# Allegro board S071AA-0413-20260427.brd (continued)
## Routing (per net, layer and track width the routed paths; a pad name or vN(x,y) marks a point on that pad's centre or on a via; arc(x,y) is an arc through that point) (continued)
D432.A2 ; D432.A2 53.61,404.93 ; D432.A2 54.68,403.86 ; D432.A2 53.61,402.79 ; 244.11,387.55 D112.B14 ; D112.B14 245.18,388.62 ; D112.B14 244.11,389.69 ; D112.B14 243.04,388.62 ; UHC230.G4_4 18.84,353.54 ; UHC230.G4_4 18.03,352.73 ; UHC230.G4_4 18.03,354.35 ; UHC230.G4_4 17.22,353.54 ; 185.69,80.21 D102.B10 ; D102.B10 184.62,81.28 ; D102.B10 186.76,81.28 ; D102.B10 185.69,82.35 ; D121.B14 122.19,102.67 ; D121.B14 122.19,100.53 ; D121.B14 123.26,101.6 ; D121.B14 121.12,101.6 ; D114.A13 174.06,355.6 ; D114.A13 172.99,356.67 ; D114.A13 171.92,355.6 ; D114.A13 172.99,354.53 ; 46.68,361.14 UHC430.G2 ; UHC430.G2 47.49,361.95 ; UHC430.G2 45.87,361.95 ; UHC430.G2 46.68,362.76 ; D118.B13 45.99,79.81 ; D118.B13 45.99,77.67 ; D118.B13 47.06,78.74 ; D118.B13 44.92,78.74 ; D121.A16 128.34,96.52 ; D121.A16 127.27,95.45 ; D121.A16 127.27,97.59 ; D121.A16 126.2,96.52 ; 241.57,31.95 D108.A3 ; D108.A3 240.5,33.02 ; D108.A3 241.57,34.09 ; D108.A3 242.64,33.02 ; D115.A16 166.44,373.38 ; D115.A16 165.37,374.45 ; D115.A16 165.37,372.31 ; D115.A16 164.3,373.38 ; 19.52,340.36 CSDPS429.C15 ; CSDPS429.C15 20.59,339.29 ; CSDPS429.C15 21.66,340.36 ; CSDPS429.C15 20.59,341.43 ; D124.B3 94.25,39.17 ; D124.B3 94.25,37.03 ; D124.B3 93.18,38.1 ; D124.B3 95.32,38.1 ; 255.74,93.98 D105.A9 ; D105.A9 256.81,92.91 ; D105.A9 257.88,93.98 ; D105.A9 256.81,95.05 ; 253.2,368.3 D111.B10 ; D111.B10 254.27,369.37 ; D111.B10 255.34,368.3 ; D111.B10 254.27,367.23 ; 37.3,35.56 D120.A10 ; D120.A10 38.37,36.63 ; D120.A10 38.37,34.49 ; D120.A10 39.44,35.56 ; D118.A10 38.37,77.27 ; D118.A10 37.3,76.2 ; D118.A10 38.37,75.13 ; D118.A10 39.44,76.2 ; 241.57,395.17 D112.A15 ; D112.A15 241.57,397.31 ; D112.A15 242.64,396.24 ; D112.A15 240.5,396.24 ; 124.73,57.35 D123.B15 ; D123.B15 125.8,58.42 ; D123.B15 123.66,58.42 ; D123.B15 124.73,59.49 ; D231.B2 53.61,369.37 ; D231.B2 53.61,367.23 ; D231.B2 52.54,368.3 ; D231.B2 54.68,368.3 ; D428.B9 109.49,402.39 ; D428.B9 108.42,401.32 ; D428.B9 110.56,401.32 ; D428.B9 109.49,400.25 ; 27.14,398.78 D432.B12 ; D432.B12 29.28,398.78 ; D432.B12 28.21,399.85 ; D432.B12 28.21,397.71 ; 40.91,385.01 D431.A7 ; D431.A7 39.84,386.08 ; D431.A7 40.91,387.15 ; D431.A7 41.98,386.08 ; 22.06,393.7 D232.A14 ; D232.A14 23.13,392.63 ; D232.A14 23.13,394.77 ; D232.A14 24.2,393.7 ; 98.26,330.2 CSDPS225.C13 ; CSDPS225.C13 99.33,329.13 ; CSDPS225.C13 100.4,330.2 ; CSDPS225.C13 99.33,331.27 ; 246.65,31.95 D108.A5 ; D108.A5 246.65,34.09 ; D108.A5 245.58,33.02 ; D108.A5 247.72,33.02 ; D113.A11 178.07,336.35 ; D113.A11 177,335.28 ; D113.A11 178.07,334.21 ; D113.A11 179.14,335.28 ; 264.43,326.59 D109.B6 ; D109.B6 263.36,327.66 ; D109.B6 264.43,328.73 ; D109.B6 265.5,327.66 ; 95.72,81.28 D122.B4 ; D122.B4 97.86,81.28 ; D122.B4 96.79,80.21 ; D122.B4 96.79,82.35 ; D101.A6 175.53,97.59 ; D101.A6 174.46,96.52 ; D101.A6 175.53,95.45 ; D101.A6 176.6,96.52 ; D118.B10 38.37,82.35 ; D118.B10 37.3,81.28 ; D118.B10 39.44,81.28 ; D118.B10 38.37,80.21 ; 23.13,387.55 D232.B14 ; D232.B14 24.2,388.62 ; D232.B14 22.06,388.62 ; D232.B14 23.13,389.69 ; 195.85,392.63 D116.A4 ; D116.A4 194.78,393.7 ; D116.A4 196.92,393.7 ; D116.A4 195.85,394.77 ; 23.13,75.13 D118.A4 ; D118.A4 23.13,77.27 ; D118.A4 24.2,76.2 ; D118.A4 22.06,76.2 ; D110.A13 247.72,355.6 ; D110.A13 246.65,354.53 ; D110.A13 246.65,356.67 ; D110.A13 245.58,355.6 ; 243.04,368.3 D111.B14 ; D111.B14 244.11,369.37 ; D111.B14 244.11,367.23 ; D111.B14 245.18,368.3 ; 127.27,397.71 D428.B2 ; D428.B2 127.27,399.85 ; D428.B2 126.2,398.78 ; D428.B2 128.34,398.78 ; 236.49,15.44 DPS1.B01 ; DPS1.B01 235.42,16.51 ; DPS1.B01 237.56,16.51 ; DPS1.B01 236.49,17.58 ; D123.B5 99.33,59.49 ; D123.B5 99.33,57.35 ; D123.B5 98.26,58.42 ; D123.B5 100.4,58.42 ; 47.46,81.28 D118.B14 ; D118.B14 48.53,82.35 ; D118.B14 49.6,81.28 ; D118.B14 48.53,80.21 ; D104.B8 181.68,40.64 ; D104.B8 179.54,40.64 ; D104.B8 180.61,39.57 ; D104.B8 180.61,41.71 ; D118.A1 16.58,73.66 ; D118.A1 15.51,74.73 ; D118.A1 15.51,72.59 ; D118.A1 14.44,73.66 ; D114.B10 180.61,349.05 ; D114.B10 179.54,347.98 ; D114.B10 180.61,346.91 ; D114.B10 181.68,347.98 ; D122.B2 92.78,81.28 ; D122.B2 90.64,81.28 ; D122.B2 91.71,82.35 ; D122.B2 91.71,80.21 ; D114.A5 194.38,355.6 ; D114.A5 193.31,356.67 ; D114.A5 192.24,355.6 ; D114.A5 193.31,354.53 ; DPS2.A05 194.38,415.29 ; DPS2.A05 193.31,414.22 ; DPS2.A05 192.24,415.29 ; DPS2.A05 193.31,416.36 ; D117.B14 49.6,101.6 ; D117.B14 47.46,101.6 ; D117.B14 48.53,102.67 ; D117.B14 48.53,100.53 ; D109.B16 239.03,328.73 ; D109.B16 237.96,327.66 ; D109.B16 239.03,326.59 ; D109.B16 240.1,327.66 ; D101.A16 202,96.52 ; D101.A16 200.93,97.59 ; D101.A16 200.93,95.45 ; D101.A16 199.86,96.52 ; 260.82,13.97 DPS1.A11 ; DPS1.A11 262.96,13.97 ; DPS1.A11 261.89,15.04 ; DPS1.A11 261.89,12.98 261.09,12.18 SB1.1 ; CSDPS426.B12 102.94,363.22 ; CSDPS426.B12 101.87,364.29 ; CSDPS426.B12 100.8,363.22 ; CSDPS426.B12 101.87,362.15 ; 183.15,395.17 D116.A9 ; D116.A9 183.15,397.31 ; D116.A9 184.22,396.24 ; D116.A9 182.08,396.24 ; 18.05,100.53 D117.B2 ; D117.B2 16.98,101.6 ; D117.B2 19.12,101.6 ; D117.B2 18.05,102.67 ; 127.27,34.49 D124.A16 ; D124.A16 128.34,35.56 ; D124.A16 127.27,36.63 ; D124.A16 126.2,35.56 ; 245.58,370.84 D111.B13 ; D111.B13 246.65,371.91 ; D111.B13 247.72,370.84 ; D111.B13 246.65,369.77 ; D104.A5 172.99,34.09 ; D104.A5 171.92,33.02 ; D104.A5 174.06,33.02 ; D104.A5 172.99,31.95 ; D111.A4 269.51,374.45 ; D111.A4 270.58,373.38 ; D111.A4 269.51,372.31 ; D111.A4 268.44,373.38 ; D111.B1 277.13,371.91 ; D111.B1 276.06,370.84 ; D111.B1 278.2,370.84 ; D111.B1 277.13,369.77 ; D432.A10 34.36,403.86 ; D432.A10 32.22,403.86 ; D432.A10 33.29,404.93 ; D432.A10 33.29,402.79 ; D232.B9 36.9,391.16 ; D232.B9 34.76,391.16 ; D232.B9 35.83,392.23 ; D232.B9 35.83,390.09 ; D110.A12 249.19,354.13 ; D110.A12 249.19,351.99 ; D110.A12 248.12,353.06 ; D110.A12 250.26,353.06 ; 19.52,381 D431.B15 ; D431.B15 21.66,381 ; D431.B15 20.59,382.07 ; D431.B15 20.59,379.93 ; 264.43,59.89 D107.B12 ; D107.B12 265.5,60.96 ; D107.B12 264.43,62.03 ; D107.B12 263.36,60.96 ; D232.B15 20.59,392.23 ; D232.B15 20.59,390.09 ; D232.B15 19.52,391.16 ; D232.B15 21.66,391.16 ; UHC230.G3_10 46.34,350.04 ; UHC230.G3_10 44.72,350.04 ; UHC230.G3_10 45.53,349.23 ; UHC230.G3_10 45.53,350.85 ; 30.75,31.95 D120.A7 ; D120.A7 30.75,34.09 ; D120.A7 31.82,33.02 ; D120.A7 29.68,33.02 ; D104.A6 176.6,35.56 ; D104.A6 175.53,36.63 ; D104.A6 174.46,35.56 ; D104.A6 175.53,34.49 ; D108.B9 256.81,39.17 ; D108.B9 255.74,38.1 ; D108.B9 257.88,38.1 ; D108.B9 256.81,37.03 ; 179.54,60.96 D103.B8 ; D103.B8 180.61,59.89 ; D103.B8 181.68,60.96 ; D103.B8 180.61,62.03 ; 30.75,329.13 CSDPS229.C11 ; CSDPS229.C11 30.75,331.27 ; CSDPS229.C11 29.68,330.2 ; CSDPS229.C11 31.82,330.2 ; 45.99,97.99 D117.B13 ; D117.B13 47.06,99.06 ; D117.B13 45.99,100.13 ; D117.B13 44.92,99.06 ; 277.13,329.13 D109.B1 ; D109.B1 277.13,331.27 ; D109.B1 278.2,330.2 ; D109.B1 276.06,330.2 ; 249.19,367.23 D111.B12 ; D111.B12 248.12,368.3 ; D111.B12 250.26,368.3 ; D111.B12 249.19,369.37 ; CSDPS226.B8 113.1,353.06 ; CSDPS226.B8 112.03,354.13 ; CSDPS226.B8 110.96,353.06 ; CSDPS226.B8 112.03,351.99 ; D105.B6 249.19,102.67 ; D105.B6 249.19,100.53 ; D105.B6 248.12,101.6 ; D105.B6 250.26,101.6 ; 34.76,99.06 D117.B9 ; D117.B9 36.9,99.06 ; D117.B9 35.83,100.13 ; D117.B9 35.83,97.99 ; D431.A10 33.29,384.61 ; D431.A10 33.29,382.47 ; D431.A10 34.36,383.54 ; D431.A10 32.22,383.54 ; D115.B7 188.23,371.91 ; D115.B7 187.16,370.84 ; D115.B7 188.23,369.77 ; D115.B7 189.3,370.84 ; 113.5,386.08 D427.A7 ; D427.A7 114.57,385.01 ; D427.A7 115.64,386.08 ; D427.A7 114.57,387.15 ; D108.A10 259.35,36.63 ; D108.A10 259.35,34.49 ; D108.A10 258.28,35.56 ; D108.A10 260.42,35.56 ; 29.68,340.36 CSDPS429.C11 ; CSDPS429.C11 30.75,339.29 ; CSDPS429.C11 30.75,341.43 ; CSDPS429.C11 31.82,340.36 ; 45.99,37.03 D120.B13 ; D120.B13 47.06,38.1 ; D120.B13 44.92,38.1 ; D120.B13 45.99,39.17 ; D108.B2 240.1,40.64 ; D108.B2 239.03,41.71 ; D108.B2 239.03,39.57 ; D108.B2 237.96,40.64 ; 113.5,53.34 D123.A11 ; D123.A11 115.64,53.34 ; D123.A11 114.57,52.27 ; D123.A11 114.57,54.41 ; D228.B16 92.78,388.62 ; D228.B16 90.64,388.62 ; D228.B16 91.71,387.55 ; D228.B16 91.71,389.69 ; DPS1.B15 273.12,16.51 ; DPS1.B15 272.05,15.44 ; DPS1.B15 270.98,16.51 ; DPS1.B15 272.05,17.58 ; D116.B15 167.91,392.23 ; D116.B15 168.98,391.16 ; D116.B15 166.84,391.16 ; D116.B15 167.91,390.09 ; 246.65,374.85 D111.A13 ; D111.A13 246.65,376.99 ; D111.A13 247.72,375.92 ; D111.A13 245.58,375.92 ; 20.59,97.99 D117.B3 ; D117.B3 20.59,100.13 ; D117.B3 21.66,99.06 ; D117.B3 19.52,99.06 ; D104.B13 193.31,39.17 ; D104.B13 192.24,38.1 ; D104.B13 194.38,38.1 ; D104.B13 193.31,37.03 ; D121.B3 94.25,100.13 ; D121.B3 94.25,97.99 ; D121.B3 95.32,99.06 ; D121.B3 93.18,99.06 ; 193.31,31.95 D104.A13 ; D104.A13 194.38,33.02 ; D104.A13 193.31,34.09 ; D104.A13 192.24,33.02 ; 39.84,401.32 D432.B7 ; D432.B7 41.98,401.32 ; D432.B7 40.91,402.39 ; D432.B7 40.91,400.25 ; 103.34,78.74 D122.B7 ; D122.B7 105.48,78.74 ; D122.B7 104.41,77.67 ; D122.B7 104.41,79.81 ; 55.08,401.32 D432.B1 ; D432.B1 56.15,400.25 ; D432.B1 56.15,402.39 ; D432.B1 57.22,401.32 ; 264.43,100.53 D105.B12 ; D105.B12 263.36,101.6 ; D105.B12 264.43,102.67 ; D105.B12 265.5,101.6 ; 108.42,53.34 D123.A9 ; D123.A9 110.56,53.34 ; D123.A9 109.49,54.41 ; D123.A9 109.49,52.27 ; 251.73,37.03 D108.B7 ; D108.B7 250.66,38.1 ; D108.B7 252.8,38.1 ; D108.B7 251.73,39.17 ; 277.13,354.53 D110.A1 ; D110.A1 277.13,356.67 ; D110.A1 278.2,355.6 ; D110.A1 276.06,355.6 ; D105.B15 273.12,99.06 ; D105.B15 270.98,99.06 ; D105.B15 272.05,100.13 ; D105.B15 272.05,97.99 ; CSDPS425.B8 112.03,343.97 ; CSDPS425.B8 112.03,341.83 ; CSDPS425.B8 113.1,342.9 ; CSDPS425.B8 110.96,342.9 ; D114.A14 171.52,353.06 ; D114.A14 170.45,354.13 ; D114.A14 170.45,351.99 ; D114.A14 169.38,353.06 ; 129.81,405.33 D428.A1 ; D428.A1 129.81,407.47 ; D428.A1 128.74,406.4 ; D428.A1 130.88,406.4 ; 91.71,39.57 D124.B2 ; D124.B2 91.71,41.71 ; D124.B2 90.64,40.64 ; D124.B2 92.78,40.64 ; D124.A12 118.18,35.56 ; D124.A12 117.11,36.63 ; D124.A12 116.04,35.56 ; D124.A12 117.11,34.49 ; 124.73,77.67 D122.B15 ; D122.B15 123.66,78.74 ; D122.B15 125.8,78.74 ; D122.B15 124.73,79.81 ; 32.22,40.64 D120.B8 ; D120.B8 33.29,39.57 ; D120.B8 33.29,41.71 ; D120.B8 34.36,40.64 ; 30.75,405.33 D432.A11 ; D432.A11 29.68,406.4 ; D432.A11 30.75,407.47 ; D432.A11 31.82,406.4 ; D123.B2 91.71,62.03 ; D123.B2 91.71,59.89 ; D123.B2 90.64,60.96 ; D123.B2 92.78,60.96 ; D123.B11 114.57,59.49 ; D123.B11 114.57,57.35 ; D123.B11 115.64,58.42 ; D123.B11 113.5,58.42 ; D431.A17 16.58,386.08 ; D431.A17 15.51,385.01 ; D431.A17 14.44,386.08 ; D431.A17 15.51,387.15 ; 261.89,334.21 D109.A7 ; D109.A7 261.89,336.35 ; D109.A7 260.82,335.28 ; D109.A7 262.96,335.28 ; 16.88,357.64 UHC430.G1_12 ; UHC430.G1_12 16.88,359.26 ; UHC430.G1_12 17.69,358.45 ; UHC430.G1_12 16.07,358.45 ; CSDPS225.B8 112.03,333.81 ; CSDPS225.B8 113.1,332.74 ; CSDPS225.B8 110.96,332.74 ; CSDPS225.B8 112.03,331.67 ; 29.68,58.42 D119.B7 ; D119.B7 30.75,57.35 ; D119.B7 30.75,59.49 ; D119.B7 31.82,58.42 ; 14.58,361.14 UHC430.G1_8 ; UHC430.G1_8 13.77,361.95 ; UHC430.G1_8 14.58,362.76 ; UHC430.G1_8 15.39,361.95 ; DPS3.B15 125.8,16.51 ; DPS3.B15 123.66,16.51 ; DPS3.B15 124.73,17.58 ; DPS3.B15 124.73,15.44 ; 255.74,396.24 D112.A9 ; D112.A9 257.88,396.24 ; D112.A9 256.81,397.31 ; D112.A9 256.81,395.17 ; 184.62,101.6 D101.B10 ; D101.B10 185.69,100.53 ; D101.B10 186.76,101.6 ; D101.B10 185.69,102.67 ; 27.14,76.2 D118.A6 ; D118.A6 28.21,77.27 ; D118.A6 29.28,76.2 ; D118.A6 28.21,75.13 ; D231.A10 33.29,374.45 ; D231.A10 32.22,373.38 ; D231.A10 34.36,373.38 ; D231.A10 33.29,372.31 ; 198.39,349.45 D114.B3 ; D114.B3 197.32,350.52 ; D114.B3 198.39,351.59 ; D114.B3 199.46,350.52 ; D231.A11 30.75,376.99 ; D231.A11 29.68,375.92 ; D231.A11 31.82,375.92 ; D231.A11 30.75,374.85 ; D232.B8 39.44,388.62 ; D232.B8 37.3,388.62 ; D232.B8 38.37,389.69 ; D232.B8 38.37,387.55 ; 48.53,331.67 CSDPS229.B4 ; CSDPS229.B4 48.53,333.81 ; CSDPS229.B4 47.46,332.74 ; CSDPS229.B4 49.6,332.74 ; D107.B2 239.03,62.03 ; D107.B2 240.1,60.96 ; D107.B2 239.03,59.89 ; D107.B2 237.96,60.96 ; DPS1.C05 247.72,19.05 ; DPS1.C05 246.65,17.98 ; DPS1.C05 245.58,19.05 ; DPS1.C05 246.65,20.12 ; 200.93,54.81 D103.A16 ; D103.A16 202,55.88 ; D103.A16 199.86,55.88 ; D103.A16 200.93,56.95 ; D112.B7 262.96,391.16 ; D112.B7 261.89,390.09 ; D112.B7 260.82,391.16 ; D112.B7 261.89,392.23 ; D117.B10 38.37,102.67 ; D117.B10 38.37,100.53 ; D117.B10 39.44,101.6 ; D117.B10 37.3,101.6 ; D109.B2 275.66,327.66 ; D109.B2 274.59,326.59 ; D109.B2 274.59,328.73 ; D109.B2 273.52,327.66 ; 103.34,396.24 D228.A11 ; D228.A11 104.41,397.31 ; D228.A11 105.48,396.24 ; D228.A11 104.41,395.17 ; 35.83,72.59 D118.A9 ; D118.A9 35.83,74.73 ; D118.A9 34.76,73.66 ; D118.A9 36.9,73.66 ; D428.A16 91.71,404.93 ; D428.A16 91.71,402.79 ; D428.A16 90.64,403.86 ; D428.A16 92.78,403.86 ; D124.B12 117.11,41.71 ; D124.B12 118.18,40.64 ; D124.B12 117.11,39.57 ; D124.B12 116.04,40.64 ; 126.2,378.46 D427.B2 ; D427.B2 127.27,379.53 ; D427.B2 128.34,378.46 ; D427.B2 127.27,377.39 ; D117.A2 19.12,96.52 ; D117.A2 18.05,97.59 ; D117.A2 18.05,95.45 ; D117.A2 16.98,96.52 ; 45.99,379.93 D431.B5 ; D431.B5 47.06,381 ; D431.B5 45.99,382.07 ; D431.B5 44.92,381 ; D108.A16 274.59,36.63 ; D108.A16 273.52,35.56 ; D108.A16 274.59,34.49 ; D108.A16 275.66,35.56 ; 122.19,95.45 D121.A14 ; D121.A14 123.26,96.52 ; D121.A14 121.12,96.52 ; D121.A14 122.19,97.59 ; D124.B14 122.19,41.71 ; D124.B14 121.12,40.64 ; D124.B14 123.26,40.64 ; D124.B14 122.19,39.57 ; 117.11,59.89 D123.B12 ; D123.B12 117.11,62.03 ; D123.B12 118.18,60.96 ; D123.B12 116.04,60.96 ; D112.A1 277.13,397.31 ; D112.A1 276.06,396.24 ; D112.A1 278.2,396.24 ; D112.A1 277.13,395.17 ; 249.19,54.81 D107.A6 ; D107.A6 248.12,55.88 ; D107.A6 249.19,56.95 ; D107.A6 250.26,55.88 ; D111.A1 278.2,375.92 ; D111.A1 277.13,376.99 ; D111.A1 277.13,374.85 ; D111.A1 276.06,375.92 ; D102.A4 171.52,76.2 ; D102.A4 169.38,76.2 ; D102.A4 170.45,77.27 ; D102.A4 170.45,75.13 ; D116.A15 168.98,396.24 ; D116.A15 167.91,397.31 ; D116.A15 167.91,395.17 ; D116.A15 166.84,396.24 ; 103.34,340.36 CSDPS425.C11 ; CSDPS425.C11 104.41,341.43 ; CSDPS425.C11 105.48,340.36 ; CSDPS425.C11 104.41,339.29 ; D104.B1 163.9,38.1 ; D104.B1 162.83,39.17 ; D104.B1 162.83,37.03 ; D104.B1 161.76,38.1 ; 121.12,363.22 CSDPS426.B4 ; CSDPS426.B4 122.19,362.15 ; CSDPS426.B4 122.19,364.29 ; CSDPS426.B4 123.26,363.22 ; 105.88,363.22 CSDPS426.B10 ; CSDPS426.B10 106.95,364.29 ; CSDPS426.B10 106.95,362.15 ; CSDPS426.B10 108.02,363.22 ; DPS3.B05 100.4,16.51 ; DPS3.B05 98.26,16.51 ; DPS3.B05 99.33,17.58 ; DPS3.B05 99.33,15.44 ; D113.A9 184.22,335.28 ; D113.A9 182.08,335.28 ; D113.A9 183.15,334.21 ; D113.A9 183.15,336.35 ; D107.A16 275.66,55.88 ; D107.A16 273.52,55.88 ; D107.A16 274.59,54.81 ; D107.A16 274.59,56.95 ; D112.B12 249.19,389.69 ; D112.B12 249.19,387.55 ; D112.B12 250.26,388.62 ; D112.B12 248.12,388.62 ; 47.46,403.86 D432.A4 ; D432.A4 49.6,403.86 ; D432.A4 48.53,402.79 ; D432.A4 48.53,404.93 ; 18.05,80.21 D118.B2 ; D118.B2 16.98,81.28 ; D118.B2 18.05,82.35 ; D118.B2 19.12,81.28 ; 251.73,72.59 D106.A7 ; D106.A7 250.66,73.66 ; D106.A7 252.8,73.66 ; D106.A7 251.73,74.73 ; 178.07,72.59 D102.A7 ; D102.A7 178.07,74.73 ; D102.A7 177,73.66 ; D102.A7 179.14,73.66 ; 105.88,96.52 D121.A8 ; D121.A8 108.02,96.52 ; D121.A8 106.95,97.59 ; D121.A8 106.95,95.45 ; D101.A10 185.69,97.59 ; D101.A10 184.62,96.52 ; D101.A10 186.76,96.52 ; D101.A10 185.69,95.45 ; 119.65,31.95 D124.A13 ; D124.A13 118.58,33.02 ; D124.A13 120.72,33.02 ; D124.A13 119.65,34.09 ; D120.A14 49.6,35.56 ; D120.A14 48.53,34.49 ; D120.A14 47.46,35.56 ; D120.A14 48.53,36.63 ; 95.72,35.56 D124.A4 ; D124.A4 96.79,34.49 ; D124.A4 96.79,36.63 ; D124.A4 97.86,35.56 ; 30.75,37.03 D120.B7 ; D120.B7 29.68,38.1 ; D120.B7 30.75,39.17 ; D120.B7 31.82,38.1 ; 23.13,377.39 D431.B14 ; D431.B14 22.06,378.46 ; D431.B14 23.13,379.53 ; D431.B14 24.2,378.46 ; D108.A1 236.49,34.09 ; D108.A1 236.49,31.95 ; D108.A1 237.56,33.02 ; D108.A1 235.42,33.02 ; DPS8.A01 56.15,416.36 ; DPS8.A01 57.22,415.29 ; DPS8.A01 55.08,415.29 ; DPS8.A01 56.15,414.22 ; D105.B3 241.57,100.13 ; D105.B3 240.5,99.06 ; D105.B3 242.64,99.06 ; D105.B3 241.57,97.99 ; 33.29,367.23 D231.B10 ; D231.B10 32.22,368.3 ; D231.B10 34.36,368.3 ; D231.B10 33.29,369.37 ; 18.37,358.45 UHC430.G1_11 ; UHC430.G1_11 19.18,359.26 ; UHC430.G1_11 19.18,357.64 ; UHC430.G1_11 19.99,358.45 ; D228.A3 125.8,396.24 ; D228.A3 123.66,396.24 ; D228.A3 124.73,395.17 ; D228.A3 124.73,397.31 ; D111.A7 261.89,376.99 ; D111.A7 260.82,375.92 ; D111.A7 262.96,375.92 ; D111.A7 261.89,374.85 ; 112.03,54.81 D123.A10 ; D123.A10 112.03,56.95 ; D123.A10 113.1,55.88 ; D123.A10 110.96,55.88 ; D113.B13 174.06,330.2 ; D113.B13 171.92,330.2 ; D113.B13 172.99,329.13 ; D113.B13 172.99,331.27 ; 245.58,350.52 D110.B13 ; D110.B13 246.65,351.59 ; D110.B13 246.65,349.45 ; D110.B13 247.72,350.52 ; 122.19,75.13 D122.A14 ; D122.A14 123.26,76.2 ; D122.A14 122.19,77.27 ; D122.A14 121.12,76.2 ; 260.82,330.2 D109.B7 ; D109.B7 262.96,330.2 ; D109.B7 261.89,331.27 ; D109.B7 261.89,329.13 ; 249.19,59.89 D107.B6 ; D107.B6 248.12,60.96 ; D107.B6 249.19,62.03 ; D107.B6 250.26,60.96 ; D120.B2 19.12,40.64 ; D120.B2 18.05,39.57 ; D120.B2 18.05,41.71 ; D120.B2 16.98,40.64 ; D116.A13 172.99,397.31 ; D116.A13 171.92,396.24 ; D116.A13 174.06,396.24 ; D116.A13 172.99,395.17 ; 45.99,405.33 D432.A5 ; D432.A5 45.99,407.47 ; D432.A5 47.06,406.4 ; D432.A5 44.92,406.4 ; D427.B14 96.79,379.53 ; D427.B14 95.72,378.46 ; D427.B14 96.79,377.39 ; D427.B14 97.86,378.46 ; 29.68,410.21 DPS8.C11 ; DPS8.C11 30.75,409.14 ; DPS8.C11 30.75,411.28 ; DPS8.C11 31.82,410.21 ; 98.26,78.74 D122.B5 ; D122.B5 100.4,78.74 ; D122.B5 99.33,77.67 ; D122.B5 99.33,79.81 ; DPS8.B05 45.99,413.82 ; DPS8.B05 45.99,411.68 ; DPS8.B05 44.92,412.75 ; DPS8.B05 47.06,412.75 ; D120.A4 24.2,35.56 ; D120.A4 23.13,36.63 ; D120.A4 22.06,35.56 ; D120.A4 23.13,34.49 ; D101.A1 163.9,93.98 ; D101.A1 162.83,92.91 ; D101.A1 162.83,95.05 ; D101.A1 161.76,93.98 ; D107.A3 242.64,53.34 ; D107.A3 240.5,53.34 ; D107.A3 241.57,54.41 ; D107.A3 241.57,52.27 ; 162.83,52.27 D103.A1 ; D103.A1 161.76,53.34 ; D103.A1 162.83,54.41 ; D103.A1 163.9,53.34 ; 254.27,75.13 D106.A8 ; D106.A8 254.27,77.27 ; D106.A8 255.34,76.2 ; D106.A8 253.2,76.2 ; D112.B11 251.73,392.23 ; D112.B11 252.8,391.16 ; D112.B11 250.66,391.16 ; D112.B11 251.73,390.09 ; 105.88,398.78 D428.B10 ; D428.B10 106.95,397.71 ; D428.B10 108.02,398.78 ; D428.B10 106.95,399.85 ; 38.37,367.23 D231.B8 ; D231.B8 38.37,369.37 ; D231.B8 37.3,368.3 ; D231.B8 39.44,368.3 ; D101.A5 172.99,95.05 ; D101.A5 171.92,93.98 ; D101.A5 172.99,92.91 ; D101.A5 174.06,93.98 ; D123.A3 94.25,54.41 ; D123.A3 93.18,53.34 ; D123.A3 94.25,52.27 ; D123.A3 95.32,53.34 ; D115.A15 168.98,375.92 ; D115.A15 167.91,374.85 ; D115.A15 167.91,376.99 ; D115.A15 166.84,375.92 ; 37.3,393.7 D232.A8 ; D232.A8 39.44,393.7 ; D232.A8 38.37,392.63 ; D232.A8 38.37,394.77 ; 127.27,382.47 D427.A2 ; D427.A2 126.2,383.54 ; D427.A2 127.27,384.61 ; D427.A2 128.34,383.54 ; CSDPS429.C5 45.99,341.43 ; CSDPS429.C5 47.06,340.36 ; CSDPS429.C5 45.99,339.29 ; CSDPS429.C5 44.92,340.36 ; 32.22,35.56 D120.A8 ; D120.A8 33.29,34.49 ; D120.A8 33.29,36.63 ; D120.A8 34.36,35.56 ; D228.A6 117.11,394.77 ; D228.A6 116.04,393.7 ; D228.A6 118.18,393.7 ; D228.A6 117.11,392.63 ; 126.2,353.06 CSDPS226.B2 ; CSDPS226.B2 128.34,353.06 ; CSDPS226.B2 127.27,351.99 ; CSDPS226.B2 127.27,354.13 ; D104.B12 190.77,41.71 ; D104.B12 190.77,39.57 ; D104.B12 191.84,40.64 ; D104.B12 189.7,40.64 ; 123.66,360.68 CSDPS426.C3 ; CSDPS426.C3 124.73,361.75 ; CSDPS426.C3 124.73,359.61 ; CSDPS426.C3 125.8,360.68 ; D427.A9 110.56,386.08 ; D427.A9 109.49,385.01 ; D427.A9 108.42,386.08 ; D427.A9 109.49,387.15 ; D118.B12 43.45,82.35 ; D118.B12 44.52,81.28 ; D118.B12 42.38,81.28 ; D118.B12 43.45,80.21 ; CSDPS229.C9 35.83,331.27 ; CSDPS229.C9 35.83,329.13 ; CSDPS229.C9 34.76,330.2 ; CSDPS229.C9 36.9,330.2 ; D114.A7 188.23,356.67 ; D114.A7 188.23,354.53 ; D114.A7 187.16,355.6 ; D114.A7 189.3,355.6 ; 52.54,388.62 D232.B2 ; D232.B2 54.68,388.62 ; D232.B2 53.61,387.55 ; D232.B2 53.61,389.69 ; D118.A12 44.52,76.2 ; D118.A12 42.38,76.2 ; D118.A12 43.45,77.27 ; D118.A12 43.45,75.13 ; 39.84,340.36 CSDPS429.C7 ; CSDPS429.C7 41.98,340.36 ; CSDPS429.C7 40.91,339.29 ; CSDPS429.C7 40.91,341.43 ; 165.37,326.59 D113.B16 ; D113.B16 166.44,327.66 ; D113.B16 165.37,328.73 ; D113.B16 164.3,327.66 ; D227.B6 117.11,369.37 ; D227.B6 117.11,367.23 ; D227.B6 116.04,368.3 ; D227.B6 118.18,368.3 ; 250.66,375.92 D111.A11 ; D111.A11 252.8,375.92 ; D111.A11 251.73,376.99 ; D111.A11 251.73,374.85 ; D110.A7 262.96,355.6 ; D110.A7 261.89,354.53 ; D110.A7 261.89,356.67 ; D110.A7 260.82,355.6 ; 39.84,370.84 D231.B7 ; D231.B7 40.91,371.91 ; D231.B7 41.98,370.84 ; D231.B7 40.91,369.77 ; D227.A2 128.34,373.38 ; D227.A2 127.27,374.45 ; D227.A2 127.27,372.31 ; D227.A2 126.2,373.38 ; 179.54,96.52 D101.A8 ; D101.A8 180.61,95.45 ; D101.A8 181.68,96.52 ; D101.A8 180.61,97.59 ; 118.58,38.1 D124.B13 ; D124.B13 119.65,37.03 ; D124.B13 120.72,38.1 ; D124.B13 119.65,39.17 ; D119.A15 51.07,54.41 ; D119.A15 50,53.34 ; D119.A15 52.14,53.34 ; D119.A15 51.07,52.27 ; 118.58,401.32 D428.B5 ; D428.B5 120.72,401.32 ; D428.B5 119.65,400.25 ; D428.B5 119.65,402.39 ; 240.5,58.42 D107.B3 ; D107.B3 242.64,58.42 ; D107.B3 241.57,59.49 ; D107.B3 241.57,57.35 ; D227.B15 94.25,371.91 ; D227.B15 93.18,370.84 ; D227.B15 95.32,370.84 ; D227.B15 94.25,369.77 ; D107.B11 262.96,58.42 ; D107.B11 261.89,59.49 ; D107.B11 260.82,58.42 ; D107.B11 261.89,57.35 ; 29.68,78.74 D118.B7 ; D118.B7 30.75,79.81 ; D118.B7 30.75,77.67 ; D118.B7 31.82,78.74 ; 169.38,388.62 D116.B14 ; D116.B14 171.52,388.62 ; D116.B14 170.45,387.55 ; D116.B14 170.45,389.69 ; D103.A12 191.84,55.88 ; D103.A12 189.7,55.88 ; D103.A12 190.77,56.95 ; D103.A12 190.77,54.81 ; 273.52,353.06 D110.A2 ; D110.A2 275.66,353.06 ; D110.A2 274.59,354.13 ; D110.A2 274.59,351.99 ; D124.B5 100.4,38.1 ; D124.B5 98.26,38.1 ; D124.B5 99.33,39.17 ; D124.B5 99.33,37.03 ; 178.07,414.22 DPS2.A11 ; DPS2.A11 179.14,415.29 ; DPS2.A11 177,415.29 ; DPS2.A11 178.07,416.38 178.74,417.05 SB13.1 ; 175.53,346.91 D114.B12 ; D114.B12 174.46,347.98 ; D114.B12 176.6,347.98 ; D114.B12 175.53,349.05 ; 129.81,400.25 D428.B1 ; D428.B1 129.81,402.39 ; D428.B1 128.74,401.32 ; D428.B1 130.88,401.32 ; D111.B9 256.81,371.91 ; D111.B9 255.74,370.84 ; D111.B9 257.88,370.84 ; D111.B9 256.81,369.77 ; D427.A6 118.18,383.54 ; D427.A6 117.11,384.61 ; D427.A6 117.11,382.47 ; D427.A6 116.04,383.54 ; D427.A13 99.33,387.15 ; D427.A13 99.33,385.01 ; D427.A13 98.26,386.08 ; D427.A13 100.4,386.08 ; 22.06,96.52 D117.A4 ; D117.A4 23.13,97.59 ; D117.A4 24.2,96.52 ; D117.A4 23.13,95.45 ; D113.A1 203.47,336.35 ; D113.A1 202.4,335.28 ; D113.A1 204.54,335.28 ; D113.A1 203.47,334.21 ; D112.A7 261.89,397.31 ; D112.A7 262.96,396.24 ; D112.A7 260.82,396.24 ; D112.A7 261.89,395.17 ; 199.86,76.2 D102.A16 ; D102.A16 202,76.2 ; D102.A16 200.93,77.27 ; D102.A16 200.93,75.13 ; CSDPS229.C1 56.15,331.27 ; CSDPS229.C1 57.22,330.2 ; CSDPS229.C1 56.15,329.13 ; CSDPS229.C1 55.08,330.2 ; 259.35,351.99 D110.A8 ; D110.A8 258.28,353.06 ; D110.A8 259.35,354.13 ; D110.A8 260.42,353.06 ; D231.A4 48.53,374.45 ; D231.A4 49.6,373.38 ; D231.A4 48.53,372.31 ; D231.A4 47.46,373.38 ; D112.A10 255.34,393.7 ; D112.A10 254.27,394.77 ; D112.A10 254.27,392.63 ; D112.A10 253.2,393.7 ; 19.52,58.42 D119.B3 ; D119.B3 21.66,58.42 ; D119.B3 20.59,57.35 ; D119.B3 20.59,59.49 ; D120.B15 51.07,39.17 ; D120.B15 52.14,38.1 ; D120.B15 51.07,37.03 ; D120.B15 50,38.1 ; CSDPS226.B14 96.79,354.13 ; CSDPS226.B14 97.86,353.06 ; CSDPS226.B14 96.79,351.99 ; CSDPS226.B14 95.72,353.06 ; D111.B8 260.42,368.3 ; D111.B8 259.35,369.37 ; D111.B8 259.35,367.23 ; D111.B8 258.28,368.3 ; D105.B7 252.8,99.06 ; D105.B7 250.66,99.06 ; D105.B7 251.73,97.99 ; D105.B7 251.73,100.13 ; 185.69,367.23 D115.B8 ; D115.B8 184.62,368.3 ; D115.B8 186.76,368.3 ; D115.B8 185.69,369.37 ; D102.A1 163.9,73.66 ; D102.A1 161.76,73.66 ; D102.A1 162.83,74.73 ; D102.A1 162.83,72.59 ; D228.A14 97.86,393.7 ; D228.A14 95.72,393.7 ; D228.A14 96.79,392.63 ; D228.A14 96.79,394.77 ; 190.77,372.31 D115.A6 ; D115.A6 189.7,373.38 ; D115.A6 190.77,374.45 ; D115.A6 191.84,373.38 ; D232.B4 49.6,388.62 ; D232.B4 48.53,387.55 ; D232.B4 48.53,389.69 ; D232.B4 47.46,388.62 ; 114.57,339.29 CSDPS425.C7 ; CSDPS425.C7 115.64,340.36 ; CSDPS425.C7 113.5,340.36 ; CSDPS425.C7 114.57,341.43 ; 20.59,369.77 D231.B15 ; D231.B15 21.66,370.84 ; D231.B15 19.52,370.84 ; D231.B15 20.59,371.91 ; D118.B8 34.36,81.28 ; D118.B8 33.29,80.21 ; D118.B8 33.29,82.35 ; D118.B8 32.22,81.28 ; 105.88,40.64 D124.B8 ; D124.B8 106.95,39.57 ; D124.B8 108.02,40.64 ; D124.B8 106.95,41.71 ; D104.B14 196.92,40.64 ; D104.B14 195.85,41.71 ; D104.B14 194.78,40.64 ; D104.B14 195.85,39.57 ; 255.74,375.92 D111.A9 ; D111.A9 256.81,376.99 ; D111.A9 257.88,375.92 ; D111.A9 256.81,374.85 ; 101.87,75.13 D122.A6 ; D122.A6 102.94,76.2 ; D122.A6 101.87,77.27 ; D122.A6 100.8,76.2 ; 43.57,351.79 UHC230.G3_8 ; UHC230.G3_8 44.38,352.6 ; UHC230.G3_8 45.19,351.79 ; UHC230.G3_8 44.38,350.98 ; CSDPS429.B10 34.36,342.9 ; CSDPS429.B10 33.29,343.97 ; CSDPS429.B10 33.29,341.83 ; CSDPS429.B10 32.22,342.9 ; D122.B8 108.02,81.28 ; D122.B8 106.95,80.21 ; D122.B8 106.95,82.35 ; D122.B8 105.88,81.28 ; D117.A6 29.28,96.52 ; D117.A6 28.21,97.59 ; D117.A6 27.14,96.52 ; D117.A6 28.21,95.45 ; 253.2,373.38 D111.A10 ; D111.A10 254.27,374.45 ; D111.A10 254.27,372.31 ; D111.A10 255.34,373.38 ; D103.B9 183.15,59.49 ; D103.B9 184.22,58.42 ; D103.B9 182.08,58.42 ; D103.B9 183.15,57.35 ; 33.29,387.55 D232.B10 ; D232.B10 34.36,388.62 ; D232.B10 32.22,388.62 ; D232.B10 33.29,389.69 ; 16.98,342.9 CSDPS429.B16 ; CSDPS429.B16 18.05,341.83 ; CSDPS429.B16 19.12,342.9 ; CSDPS429.B16 18.05,343.97 ; 14.44,99.06 D117.B1 ; D117.B1 16.58,99.06 ; D117.B1 15.51,100.13 ; D117.B1 15.51,97.99 ; 194.78,60.96 D103.B14 ; D103.B14 195.85,59.89 ; D103.B14 195.85,62.03 ; D103.B14 196.92,60.96 ; UHC430.G1_9 18.03,361.01 ; UHC430.G1_9 18.03,359.39 ; UHC430.G1_9 17.22,360.2 ; UHC430.G1_9 18.84,360.2 ; D228.B14 97.86,388.62 ; D228.B14 96.79,389.69 ; D228.B14 96.79,387.55 ; D228.B14 95.72,388.62 ; 185.69,331.67 D113.A8 ; D113.A8 186.76,332.74 ; D113.A8 184.62,332.74 ; D113.A8 185.69,333.81 ; CSDPS425.C15 95.32,340.36 ; CSDPS425.C15 93.18,340.36 ; CSDPS425.C15 94.25,339.29 ; CSDPS425.C15 94.25,341.43 ; D123.B6 102.94,60.96 ; D123.B6 101.87,59.89 ; D123.B6 100.8,60.96 ; D123.B6 101.87,62.03 ; 99.33,31.95 D124.A5 ; D124.A5 98.26,33.02 ; D124.A5 100.4,33.02 ; D124.A5 99.33,34.09 ; UHC430.G1_10 15.73,361.01 ; UHC430.G1_10 15.73,359.39 ; UHC430.G1_10 16.54,360.2 ; UHC430.G1_10 14.92,360.2 ; 171.92,99.06 D101.B5 ; D101.B5 172.99,100.13 ; D101.B5 172.99,97.99 ; D101.B5 174.06,99.06 ; 175.53,387.55 D116.B12 ; D116.B12 176.6,388.62 ; D116.B12 175.53,389.69 ; D116.B12 174.46,388.62 ; 203.47,354.53 D114.A1 ; D114.A1 202.4,355.6 ; D114.A1 203.47,356.67 ; D114.A1 204.54,355.6 ; D105.A12 265.5,96.52 ; D105.A12 263.36,96.52 ; D105.A12 264.43,95.45 ; D105.A12 264.43,97.59 ; D109.B10 254.27,328.73 ; D109.B10 253.2,327.66 ; D109.B10 255.34,327.66 ; D109.B10 254.27,326.59 ; UHC430.G2_2 47.49,365.45 ; UHC430.G2_2 45.87,365.45 ; UHC430.G2_2 46.68,366.26 ; UHC430.G2_2 46.68,364.64 ; D107.A12 265.5,55.88 ; D107.A12 263.36,55.88 ; D107.A12 264.43,56.95 ; D107.A12 264.43,54.81 ; 166.84,33.02 D104.A3 ; D104.A3 168.98,33.02 ; D104.A3 167.91,34.09 ; D104.A3 167.91,31.95 ; DPS2.C05 194.38,410.21 ; DPS2.C05 192.24,410.21 ; DPS2.C05 193.31,409.14 ; DPS2.C05 193.31,411.28 ; 254.27,54.81 D107.A8 ; D107.A8 255.34,55.88 ; D107.A8 254.27,56.95 ; D107.A8 253.2,55.88 ; D117.A3 21.66,93.98 ; D117.A3 20.59,95.05 ; D117.A3 20.59,92.91 ; D117.A3 19.52,93.98 ; 16.98,76.2 D118.A2 ; D118.A2 18.05,75.13 ; D118.A2 19.12,76.2 ; D118.A2 18.05,77.27 ; D106.A3 241.57,74.73 ; D106.A3 240.5,73.66 ; D106.A3 241.57,72.59 ; D106.A3 242.64,73.66 ; 116.04,76.2 D122.A12 ; D122.A12 117.11,77.27 ; D122.A12 117.11,75.13 ; D122.A12 118.18,76.2 ; D227.B11 104.41,371.91 ; D227.B11 104.41,369.77 ; D227.B11 103.34,370.84 ; D227.B11 105.48,370.84 ; 34.76,340.36 CSDPS429.C9 ; CSDPS429.C9 35.83,341.43 ; CSDPS429.C9 36.9,340.36 ; CSDPS429.C9 35.83,339.29 ; DPS2.C01 204.54,410.21 ; DPS2.C01 202.4,410.21 ; DPS2.C01 203.47,411.28 ; DPS2.C01 203.47,409.14 ; D109.B5 268.04,330.2 ; D109.B5 266.97,329.13 ; D109.B5 266.97,331.27 ; D109.B5 265.9,330.2 ; UHC230.G3_12 47.49,348.29 ; UHC230.G3_12 46.68,349.1 ; UHC230.G3_12 46.68,347.48 ; UHC230.G3_12 45.87,348.29 ; CSDPS225.C9 110.56,330.2 ; CSDPS225.C9 109.49,331.27 ; CSDPS225.C9 108.42,330.2 ; CSDPS225.C9 109.49,329.13 ; 272.05,12.9 DPS1.A15 ; DPS1.A15 270.98,13.97 ; DPS1.A15 273.12,13.97 ; DPS1.A15 272.05,15.04 ; D105.A14 270.58,96.52 ; D105.A14 269.51,97.59 ; D105.A14 269.51,95.45 ; D105.A14 268.44,96.52 ; 53.61,75.13 D118.A16 ; D118.A16 52.54,76.2 ; D118.A16 54.68,76.2 ; D118.A16 53.61,77.27 ; 24.6,375.92 D231.A13 ; D231.A13 25.67,374.85 ; D231.A13 25.67,376.99 ; D231.A13 26.74,375.92 ; 195.85,34.49 D104.A14 ; D104.A14 194.78,35.56 ; D104.A14 196.92,35.56 ; D104.A14 195.85,36.63 ; D122.B14 122.19,82.35 ; D122.B14 121.12,81.28 ; D122.B14 122.19,80.21 ; D122.B14 123.26,81.28 ; D108.B12 265.5,40.64 ; D108.B12 263.36,40.64 ; D108.B12 264.43,41.71 ; D108.B12 264.43,39.57 ; 117.11,54.81 D123.A12 ; D123.A12 117.11,56.95 ; D123.A12 118.18,55.88 ; D123.A12 116.04,55.88 ; D115.B12 176.6,368.3 ; D115.B12 174.46,368.3 ; D115.B12 175.53,369.37 ; D115.B12 175.53,367.23 ; D102.A10 186.76,76.2 ; D102.A10 185.69,75.13 ; D102.A10 185.69,77.27 ; D102.A10 184.62,76.2 ; D123.A15 124.73,54.41 ; D123.A15 123.66,53.34 ; D123.A15 124.73,52.27 ; D123.A15 125.8,53.34 ; 266.97,395.17 D112.A5 ; D112.A5 266.97,397.31 ; D112.A5 268.04,396.24 ; D112.A5 265.9,396.24 ; 45.99,385.01 D431.A5 ; D431.A5 45.99,387.15 ; D431.A5 44.92,386.08 ; D431.A5 47.06,386.08 ; 244.11,346.91 D110.B14 ; D110.B14 245.18,347.98 ; D110.B14 243.04,347.98 ; D110.B14 244.11,349.05 ; 38.37,331.67 CSDPS229.B8 ; CSDPS229.B8 37.3,332.74 ; CSDPS229.B8 39.44,332.74 ; CSDPS229.B8 38.37,333.81 ; 260.82,19.05 DPS1.C11 ; DPS1.C11 261.89,20.12 ; DPS1.C11 262.96,19.05 ; DPS1.C11 261.89,17.98 ; 27.14,342.9 CSDPS429.B12 ; CSDPS429.B12 29.28,342.9 ; CSDPS429.B12 28.21,341.83 ; CSDPS429.B12 28.21,343.97 ; 174.46,353.06 D114.A12 ; D114.A12 175.53,354.13 ; D114.A12 175.53,351.99 ; D114.A12 176.6,353.06 ; 18.05,331.67 CSDPS229.B16 ; CSDPS229.B16 19.12,332.74 ; CSDPS229.B16 16.98,332.74 ; CSDPS229.B16 18.05,333.81 ; 183.15,349.45 D114.B9 ; D114.B9 182.08,350.52 ; D114.B9 183.15,351.59 ; D114.B9 184.22,350.52 ; 162.83,77.67 D102.B1 ; D102.B1 161.76,78.74 ; D102.B1 163.9,78.74 ; D102.B1 162.83,79.81 ; UHC430.G1 16.88,362.76 ; UHC430.G1 17.69,361.95 ; UHC430.G1 16.88,361.14 ; UHC430.G1 16.07,361.95 ; D101.A14 196.92,96.52 ; D101.A14 195.85,95.45 ; D101.A14 194.78,96.52 ; D101.A14 195.85,97.59 ; 122.19,54.81 D123.A14 ; D123.A14 123.26,55.88 ; D123.A14 122.19,56.95 ; D123.A14 121.12,55.88 ; 269.51,331.67 D109.A4 ; D109.A4 268.44,332.74 ; D109.A4 270.58,332.74 ; D109.A4 269.51,333.81 ; 98.26,340.36 CSDPS425.C13 ; CSDPS425.C13 100.4,340.36 ; CSDPS425.C13 99.33,339.29 ; CSDPS425.C13 99.33,341.43 ; 169.38,393.7 D116.A14 ; D116.A14 170.45,394.77 ; D116.A14 171.52,393.7 ; D116.A14 170.45,392.63 ; CSDPS226.C7 115.64,350.52 ; CSDPS226.C7 113.5,350.52 ; CSDPS226.C7 114.57,349.45 ; CSDPS226.C7 114.57,351.59 ; D107.A9 257.88,53.34 ; D107.A9 256.81,52.27 ; D107.A9 255.74,53.34 ; D107.A9 256.81,54.41 ; 20.59,374.85 D231.A15 ; D231.A15 20.59,376.99 ; D231.A15 21.66,375.92 ; D231.A15 19.52,375.92 ; 246.65,52.27 D107.A5 ; D107.A5 245.58,53.34 ; D107.A5 246.65,54.41 ; D107.A5 247.72,53.34 ; 180.61,392.63 D116.A10 ; D116.A10 181.68,393.7 ; D116.A10 179.54,393.7 ; D116.A10 180.61,394.77 ; 268.44,60.96 D107.B14 ; D107.B14 269.51,59.89 ; D107.B14 270.58,60.96 ; D107.B14 269.51,62.03 ; 171.92,73.66 D102.A5 ; D102.A5 172.99,72.59 ; D102.A5 172.99,74.73 ; D102.A5 174.06,73.66 ; D123.B4 97.86,60.96 ; D123.B4 95.72,60.96 ; D123.B4 96.79,59.89 ; D123.B4 96.79,62.03 ; 34.76,78.74 D118.B9 ; D118.B9 35.83,79.81 ; D118.B9 36.9,78.74 ; D118.B9 35.83,77.67 ; D115.A4 195.85,374.45 ; D115.A4 196.92,373.38 ; D115.A4 194.78,373.38 ; D115.A4 195.85,372.31 ; D102.B2 165.37,82.35 ; D102.B2 166.44,81.28 ; D102.B2 165.37,80.21 ; D102.B2 164.3,81.28 ; 235.42,58.42 D107.B1 ; D107.B1 236.49,57.35 ; D107.B1 237.56,58.42 ; D107.B1 236.49,59.49 ; 269.51,326.59 D109.B4 ; D109.B4 269.51,328.73 ; D109.B4 270.58,327.66 ; D109.B4 268.44,327.66 ; D227.A14 96.79,374.45 ; D227.A14 95.72,373.38 ; D227.A14 97.86,373.38 ; D227.A14 96.79,372.31 ; 32.22,60.96 D119.B8 ; D119.B8 34.36,60.96 ; D119.B8 33.29,59.89 ; D119.B8 33.29,62.03 ; 255.74,33.02 D108.A9 ; D108.A9 256.81,31.95 ; D108.A9 257.88,33.02 ; D108.A9 256.81,34.09 ; 98.26,381 D427.B13 ; D427.B13 99.33,382.07 ; D427.B13 100.4,381 ; D427.B13 99.33,379.93 ; 109.49,349.45 CSDPS226.C9 ; CSDPS226.C9 108.42,350.52 ; CSDPS226.C9 110.56,350.52 ; CSDPS226.C9 109.49,351.59 ; D119.B1 16.58,58.42 ; D119.B1 14.44,58.42 ; D119.B1 15.51,57.35 ; D119.B1 15.51,59.49 ; D104.B11 188.23,39.17 ; D104.B11 188.23,37.03 ; D104.B11 187.16,38.1 ; D104.B11 189.3,38.1 ; CSDPS429.B6 43.45,343.97 ; CSDPS429.B6 42.38,342.9 ; CSDPS429.B6 44.52,342.9 ; CSDPS429.B6 43.45,341.83 ; D228.B5 120.72,391.16 ; D228.B5 119.65,390.09 ; D228.B5 119.65,392.23 ; D228.B5 118.58,391.16 ; D431.B13 25.67,382.07 ; D431.B13 24.6,381 ; D431.B13 25.67,379.93 ; D431.B13 26.74,381 ; 188.23,31.95 D104.A11 ; D104.A11 187.16,33.02 ; D104.A11 189.3,33.02 ; D104.A11 188.23,34.09 ; D107.B13 266.97,59.49 ; D107.B13 265.9,58.42 ; D107.B13 268.04,58.42 ; D107.B13 266.97,57.35 ; D116.A12 175.53,394.77 ; D116.A12 176.6,393.7 ; D116.A12 175.53,392.63 ; D116.A12 174.46,393.7 ; 261.89,31.95 D108.A11 ; D108.A11 262.96,33.02 ; D108.A11 260.82,33.02 ; D108.A11 261.89,34.09 ; D106.A16 274.59,77.27 ; D106.A16 275.66,76.2 ; D106.A16 273.52,76.2 ; D106.A16 274.59,75.13 ; D106.B14 270.58,81.28 ; D106.B14 269.51,82.35 ; D106.B14 269.51,80.21 ; D106.B14 268.44,81.28 ; 52.54,393.7 D232.A2 ; D232.A2 53.61,394.77 ; D232.A2 54.68,393.7 ; D232.A2 53.61,392.63 ; D118.A3 21.66,73.66 ; D118.A3 19.52,73.66 ; D118.A3 20.59,72.59 ; D118.A3 20.59,74.73 ; 13.77,348.29 UHC230.G4_13 ; UHC230.G4_13 14.58,349.1 ; UHC230.G4_13 14.58,347.48 ; UHC230.G4_13 15.39,348.29 ; D113.B6 190.77,328.73 ; D113.B6 191.84,327.66 ; D113.B6 190.77,326.59 ; D113.B6 189.7,327.66 ; 180.61,372.31 D115.A10 ; D115.A10 181.68,373.38 ; D115.A10 180.61,374.45 ; D115.A10 179.54,373.38 ; 126.2,342.9 CSDPS425.B2 ; CSDPS425.B2 127.27,341.83 ; CSDPS425.B2 128.34,342.9 ; CSDPS425.B2 127.27,343.97 ; 45.99,92.91 D117.A13 ; D117.A13 44.92,93.98 ; D117.A13 45.99,95.05 ; D117.A13 47.06,93.98 ; D123.B10 113.1,60.96 ; D123.B10 112.03,59.89 ; D123.B10 112.03,62.03 ; D123.B10 110.96,60.96 ; 27.14,332.74 CSDPS229.B12 ; CSDPS229.B12 28.21,331.67 ; CSDPS229.B12 28.21,333.81 ; CSDPS229.B12 29.28,332.74 ; D109.B14 244.11,328.73 ; D109.B14 245.18,327.66 ; D109.B14 244.11,326.59 ; D109.B14 243.04,327.66 ; D121.B6 101.87,102.67 ; D121.B6 101.87,100.53 ; D121.B6 100.8,101.6 ; D121.B6 102.94,101.6 ; 98.26,360.68 CSDPS426.C13 ; CSDPS426.C13 99.33,359.61 ; CSDPS426.C13 100.4,360.68 ; CSDPS426.C13 99.33,361.75 ; 109.49,77.67 D122.B9 ; D122.B9 110.56,78.74 ; D122.B9 109.49,79.81 ; D122.B9 108.42,78.74 ; 123.66,381 D427.B3 ; D427.B3 124.73,382.07 ; D427.B3 125.8,381 ; D427.B3 124.73,379.93 ; 113.5,38.1 D124.B11 ; D124.B11 115.64,38.1 ; D124.B11 114.57,37.03 ; D124.B11 114.57,39.17 ; 91.71,95.45 D121.A2 ; D121.A2 92.78,96.52 ; D121.A2 90.64,96.52 ; D121.A2 91.71,97.59 ; D106.B15 272.05,79.81 ; D106.B15 272.05,77.67 ; D106.B15 273.12,78.74 ; D106.B15 270.98,78.74 ; 236.49,72.59 D106.A1 ; D106.A1 236.49,74.73 ; D106.A1 237.56,73.66 ; D106.A1 235.42,73.66 ; D428.B4 122.19,399.85 ; D428.B4 122.19,397.71 ; D428.B4 123.26,398.78 ; D428.B4 121.12,398.78 ; D112.B5 268.04,391.16 ; D112.B5 265.9,391.16 ; D112.B5 266.97,390.09 ; D112.B5 266.97,392.23 ; D114.B7 188.23,351.59 ; D114.B7 189.3,350.52 ; D114.B7 187.16,350.52 ; D114.B7 188.23,349.45 ; 48.53,39.57 D120.B14 ; D120.B14 48.53,41.71 ; D120.B14 49.6,40.64 ; D120.B14 47.46,40.64 ; D231.B17 16.58,370.84 ; D231.B17 15.51,371.91 ; D231.B17 14.44,370.84 ; D231.B17 15.51,369.77 ; D428.A5 120.72,406.4 ; D428.A5 118.58,406.4 ; D428.A5 119.65,405.33 ; D428.A5 119.65,407.47 ; D428.B8 112.03,399.85 ; D428.B8 110.96,398.78 ; D428.B8 112.03,397.71 ; D428.B8 113.1,398.78 ; D427.A11 105.48,386.08 ; D427.A11 103.34,386.08 ; D427.A11 104.41,385.01 ; D427.A11 104.41,387.15 ; CSDPS225.B2 127.27,333.81 ; CSDPS225.B2 127.27,331.67 ; CSDPS225.B2 126.2,332.74 ; CSDPS225.B2 128.34,332.74 ; D124.A11 114.57,34.09 ; D124.A11 115.64,33.02 ; D124.A11 114.57,31.95 ; D124.A11 113.5,33.02 ; D107.B5 247.72,58.42 ; D107.B5 246.65,59.49 ; D107.B5 246.65,57.35 ; D107.B5 245.58,58.42 ; D104.A12 190.77,36.63 ; D104.A12 190.77,34.49 ; D104.A12 189.7,35.56 ; D104.A12 191.84,35.56 ; 91.71,75.13 D122.A2 ; D122.A2 90.64,76.2 ; D122.A2 92.78,76.2 ; D122.A2 91.71,77.27 ; 103.34,38.1 D124.B7 ; D124.B7 104.41,37.03 ; D124.B7 105.48,38.1 ; D124.B7 104.41,39.17 ; 22.06,403.86 D432.A14 ; D432.A14 24.2,403.86 ; D432.A14 23.13,404.93 ; D432.A14 23.13,402.79 ; D115.A3 199.46,375.92 ; D115.A3 198.39,374.85 ; D115.A3 197.32,375.92 ; D115.A3 198.39,376.99 ; 239.03,351.99 D110.A16 ; D110.A16 239.03,354.13 ; D110.A16 240.1,353.06 ; D110.A16 237.96,353.06 ; 182.08,355.6 D114.A9 ; D114.A9 183.15,356.67 ; D114.A9 183.15,354.53 ; D114.A9 184.22,355.6 ; D427.A10 106.95,384.61 ; D427.A10 105.88,383.54 ; D427.A10 108.02,383.54 ; D427.A10 106.95,382.47 ; 37.3,373.38 D231.A8 ; D231.A8 38.37,372.31 ; D231.A8 38.37,374.45 ; D231.A8 39.44,373.38 ; 99.33,52.27 D123.A5 ; D123.A5 99.33,54.41 ; D123.A5 98.26,53.34 ; D123.A5 100.4,53.34 ; 100.8,403.86 D428.A12 ; D428.A12 101.87,404.93 ; D428.A12 101.87,402.79 ; D428.A12 102.94,403.86 ; 167.91,77.67 D102.B3 ; D102.B3 168.98,78.74 ; D102.B3 166.84,78.74 ; D102.B3 167.91,79.81 ; 265.9,33.02 D108.A13 ; D108.A13 266.97,34.09 ; D108.A13 266.97,31.95 ; D108.A13 268.04,33.02 ; 270.98,335.28 D109.A3 ; D109.A3 273.12,335.28 ; D109.A3 272.05,334.21 ; D109.A3 272.05,336.35 ; D103.A3 168.98,53.34 ; D103.A3 166.84,53.34 ; D103.A3 167.91,54.41 ; D103.A3 167.91,52.27 ; UHC430.G1_2 17.69,365.45 ; UHC430.G1_2 16.88,364.64 ; UHC430.G1_2 16.88,366.26 ; UHC430.G1_2 16.07,365.45 ; 172.99,369.77 D115.B13 ; D115.B13 171.92,370.84 ; D115.B13 174.06,370.84 ; D115.B13 172.99,371.91 ; 121.12,342.9 CSDPS425.B4 ; CSDPS425.B4 122.19,343.97 ; CSDPS425.B4 122.19,341.83 ; CSDPS425.B4 123.26,342.9 ; 253.2,40.64 D108.B8 ; D108.B8 254.27,39.57 ; D108.B8 254.27,41.71 ; D108.B8 255.34,40.64 ; 105.88,368.3 D227.B10 ; D227.B10 106.95,369.37 ; D227.B10 108.02,368.3 ; D227.B10 106.95,367.23 ; D231.B6 44.52,368.3 ; D231.B6 43.45,369.37 ; D231.B6 43.45,367.23 ; D231.B6 42.38,368.3 ; D119.A14 49.6,55.88 ; D119.A14 48.53,56.95 ; D119.A14 48.53,54.81 ; D119.A14 47.46,55.88 ; DPS8.A05 45.99,416.36 ; DPS8.A05 44.92,415.29 ; DPS8.A05 47.06,415.29 ; DPS8.A05 45.99,414.22 ; 122.19,59.89 D123.B14 ; D123.B14 123.26,60.96 ; D123.B14 122.19,62.03 ; D123.B14 121.12,60.96 ; 269.51,100.53 D105.B14 ; D105.B14 270.58,101.6 ; D105.B14 268.44,101.6 ; D105.B14 269.51,102.67 ; 243.04,76.2 D106.A4 ; D106.A4 245.18,76.2 ; D106.A4 244.11,77.27 ; D106.A4 244.11,75.13 ; D231.B4 48.53,369.37 ; D231.B4 49.6,368.3 ; D231.B4 47.46,368.3 ; D231.B4 48.53,367.23 ; UHC230.G4_5 16.54,353.54 ; UHC230.G4_5 15.73,352.73 ; UHC230.G4_5 15.73,354.35 ; UHC230.G4_5 14.92,353.54 ; D124.A7 104.41,34.09 ; D124.A7 103.34,33.02 ; D124.A7 105.48,33.02 ; D124.A7 104.41,31.95 ; CSDPS426.C1 129.81,361.75 ; CSDPS426.C1 129.81,359.61 ; CSDPS426.C1 128.74,360.68 ; CSDPS426.C1 130.88,360.68 ; D114.B1 204.54,350.52 ; D114.B1 202.4,350.52 ; D114.B1 203.47,351.59 ; D114.B1 203.47,349.45 ; 249.19,372.31 D111.A12 ; D111.A12 250.26,373.38 ; D111.A12 249.19,374.45 ; D111.A12 248.12,373.38 ; D427.A1 130.88,386.08 ; D427.A1 129.81,387.15 ; D427.A1 129.81,385.01 ; D427.A1 128.74,386.08 ; 43.45,34.49 D120.A12 ; D120.A12 42.38,35.56 ; D120.A12 43.45,36.63 ; D120.A12 44.52,35.56 ; D113.B14 170.45,328.73 ; D113.B14 